# KiCad board delta48m.kicad_pcb (continued)
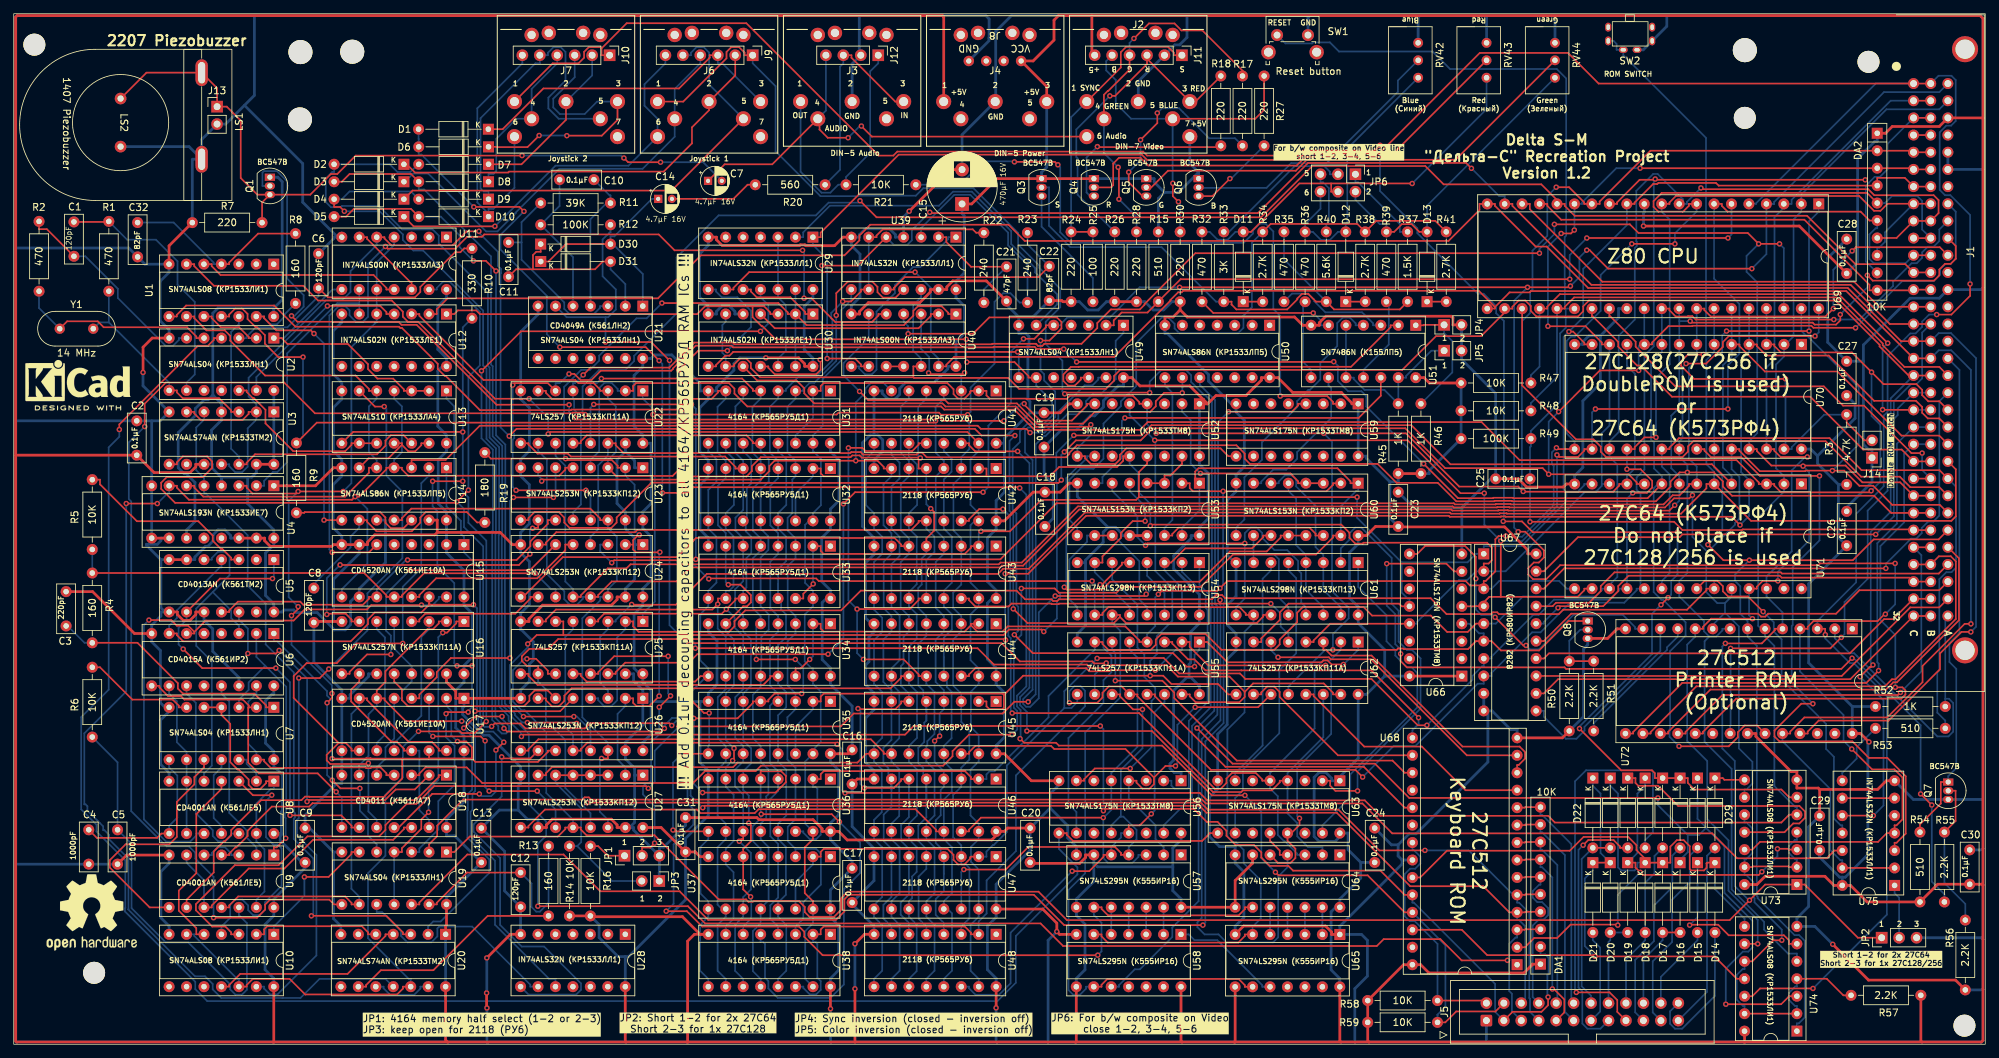
[diagram p0: board, top side]
## Routing (per net, layer and track width the routed paths; a pad name or vN(x,y) marks a point on that pad's centre or on a via; arc(x,y) is an arc through that point) (continued)
7MHZ: length 336.3
  Top w0.25: v1(145.74,88.6) 145.73,88.61 140.88,88.61 139.92,89.58 73.19,89.58 v1(72.13,88.52) ; U3.6 26.29,92.04 26.29,91.81 27.2,90.9 33.33,90.9 34.19,91.76 34.19,92.04 U3.2 ; 183.02,62.49 181.89,62.49 181.89,62.25 180.95,61.31 161.92,61.31 161.03,62.21 ; 161.03,62.21 161.03,62.49 U54.11 ; 161.03,62.21 160.14,61.31 147.57,61.31 v1(145.5,63.37) ; 52.84,117.48 53.96,117.48 53.96,117.3 54.96,116.3 63.91,116.3 65.93,118.33 v1(67.71,118.33) ; U65.9 179.21,8.36 179.21,8.59 178.3,9.51 159.2,9.51 158.35,8.65 158.35,8.37 U58.9
  Bottom w0.25: v1(67.71,118.33) 67.71,118.13 70.48,115.35 70.48,113.3 70.93,112.85 70.93,112.25 70.87,112.18 70.87,89.79 v1(72.13,88.52) ; v1(145.5,63.37) 145.5,77.09 144.96,77.63 144.96,87.82 v1(145.74,88.6) ; U3.11 31.37,84.42 31.37,84.14 32.24,83.27 33.25,83.27 34.05,84.06 34.05,89.64 35.32,90.91 U3.2 35.32,93.17 34.19,94.3 34.19,97.02 45.49,108.32 47.84,108.32 49.03,109.51 49.03,112.54 52.84,116.35 52.84,117.48 ; U54.11 159.9,61.36 161.09,60.17 161.09,50.49 155.97,45.37 155.97,24.89 153.55,22.47 153.55,7.88 154.22,7.21 155.21,7.21 156.09,8.09 156.09,8.37 U58.9
A0: length 303.5
  Top w0.25: v1(97.57,80.99) 98.29,81.71 152.08,81.71 v1(152.5,82.13) ; U23.3 87.69,82.73 95.92,82.73 v1(97.36,84.16) ; v1(268.12,104.28) 261.99,104.28 261.69,104.58 244.4,104.58 244.35,104.53 240.88,104.53 238.5,102.15 238.5,101.87 U70.10 ; 57.92,106.29 59.04,106.29 59.04,106.04 68.39,96.68 81.75,96.68 82.2,96.23 84.42,96.23 85.37,95.29 85.37,95.1 U22.3 ; v1(236.55,98.07) 230.89,98.07 v1(224.89,92.07) ; U71.10 236.25,81.55 236.25,81.79 235.07,82.97 v1(223.45,82.97) 222.56,83.86 208.37,83.86 202.57,89.66 165.81,89.66 164.05,87.9 154.61,87.9 v1(152.94,86.23)
  Bottom w0.25: U23.3 86.5,85.04 87.66,86.2 87.66,92.81 86.5,93.98 U22.3 ; v1(236.55,98.07) 236.55,101.61 237.38,102.44 ; v1(224.89,92.07) 223.45,90.63 v1(223.45,82.97) ; v1(152.5,82.13) 152.5,85.78 v1(152.94,86.23) ; J1.40 282.7,121.2 282.7,114.33 281.96,113.59 281.19,113.59 280.43,112.83 280.43,112.04 279.48,111.09 274.93,111.09 272,108.16 v1(268.12,104.28) ; v1(97.57,80.99) 97.57,83.95 v1(97.36,84.16) ; 237.38,102.44 U70.10 ; 237.38,102.44 237.38,103 237.36,103.02 U69.30
A1: length 349.5
  Top w0.25: U22.6 77.75,96.23 72.92,96.23 v1(72.63,95.95) ; v1(154.72,99.32) 192.12,99.32 v1(192.16,99.36) ; v1(80.83,97.57) 81.62,97.57 82.5,96.69 84.11,96.69 85.46,98.04 95.71,98.04 95.95,98.28 95.95,98.36 99.28,101.69 104.48,101.69 104.73,101.44 142.59,101.44 142.65,101.5 148.62,101.5 148.93,101.2 v1(152.84,101.2) ; U72.23 253.78,46.4 251.96,46.4 250.99,45.42 250.99,44.7 249.67,43.38 v1(242.42,43.38) ; U69.31 241.02,107.08 241.02,106.85 241.95,105.92 243.68,105.92 243.75,105.99 244.35,105.99 244.85,105.49 v1(264.95,105.49) ; U71.9 237.85,79.49 218.31,79.49 218.25,79.55 215.4,79.55 215.34,79.49 210.25,79.49 v1(205.24,84.5) ; v1(73.12,80.63) v1(83.29,80.63)
  Bottom w0.25: v1(205.24,84.5) 196.9,92.84 196.9,94.35 196.9,94.35 196.19,95.05 194.25,95.05 192.76,96.54 192.76,98.76 v1(192.16,99.36) ; U71.9 239.92,82.12 ; 239.92,82.12 238.73,80.92 238.73,65.83 239.86,64.7 240.09,64.7 243.38,61.42 243.38,59.47 241.12,57.22 241.12,45.91 241.04,45.83 241.04,44.75 v1(242.42,43.38) ; 239.92,82.12 239.92,82.68 238.79,83.81 238.79,87.59 238.35,88.03 238.35,99.17 239.92,100.75 U70.9 239.92,105.93 239.9,105.95 U69.31 ; U23.13 83.96,79.97 v1(83.29,80.63) ; v1(73.12,80.63) 72.63,81.12 72.63,87.99 72.86,88.22 72.86,88.82 72.63,89.05 v1(72.63,95.95) ; v1(264.95,105.49) 268.68,105.49 273.58,110.38 273.58,110.98 276.28,113.69 277.02,113.69 277.81,114.47 277.81,115.26 278.64,116.09 279.48,116.09 280.31,116.92 280.31,118.59 J1.41 ; v1(80.83,97.57) 79.49,96.23 78.88,96.23 U22.6 ; v1(154.72,99.32) v1(152.84,101.2)
A2: length 273.2
  Top w0.25: v1(265.9,106.22) 265.9,105.37 265.27,104.75 262.16,104.75 261.88,105.03 244.27,105.03 v1(244.05,105.26) ; v1(241.79,78.46) 241.01,77.68 217.56,77.68 217.5,77.74 216.15,77.74 216.09,77.68 209.43,77.68 209.26,77.84 155.11,77.84 146.93,69.66 143.84,69.66 143.58,69.41 98.53,69.41 96.49,67.37 87.06,67.37 85.08,65.39 85.08,65.11 U24.13 ; J1.42 282.71,116.19 282.71,114.34 281.96,113.59 281.14,113.59 280.31,112.76 280.31,111.92 279.54,111.15 270.61,111.15 v1(269.84,111.93)
  Bottom w0.25: U24.13 82.83,65.11 82.83,64.83 81.97,63.97 80.96,63.97 80.15,64.78 80.15,65.93 77.61,68.47 77.61,85.09 76.34,86.36 U22.10 ; v1(241.79,78.46) 242.46,79.13 U71.8 242.46,82.68 241.29,83.85 241.29,91.5 242.46,92.66 U70.8 242.46,105.26 ; 242.46,105.26 v1(244.05,105.26) ; 242.46,105.26 242.46,105.93 242.44,105.95 U69.32 ; v1(265.9,106.22) 269.84,110.16 v1(269.84,111.93)
A3: length 282
  Top w0.25: v1(87.05,70.09) 87.41,70.45 99.17,70.45 v1(99.3,70.59) 143.63,70.59 151.79,78.75 209.64,78.75 209.8,78.58 215.72,78.58 215.78,78.64 217.88,78.64 217.93,78.58 240.17,78.58 241.5,79.91 242.5,79.91 243.87,81.28 243.87,81.55 U71.7 ; v1(264.88,107.08) 263.74,105.94 247.04,105.94 246.1,106.87 246.1,107.08 U69.33 ; v1(267.62,115.48) 268.16,116.02 280.38,116.02 J1.43 ; v1(98.65,93.14) v1(84.43,93.14)
  Bottom w0.25: U22.13 83.96,92.66 v1(84.43,93.14) ; U24.3 85.37,72.73 85.37,71.77 v1(87.05,70.09) ; v1(264.88,107.08) 264.88,112.74 v1(267.62,115.48) ; U71.7 245,84.09 243.85,85.24 243.85,98.44 245,99.59 U70.7 245,105.93 244.98,105.95 U69.33 ; v1(99.3,70.59) 99.3,92.49 v1(98.65,93.14)
A4: length 254.8
  Top w0.25: v1(89.95,64.01) 89.99,63.98 96.4,63.98 100.88,68.46 143.27,68.46 144.02,69.21 147.76,69.21 155.94,77.39 209.08,77.39 209.24,77.23 216.28,77.23 216.34,77.29 217.31,77.29 217.37,77.23 242.71,77.23 246.41,80.93 246.41,81.55 U71.6 252.91,76.18 282.06,76.18 282.71,76.84 282.71,83.68 J1.55
  Bottom w0.25: v1(89.95,64.01) 89.91,64.01 87.62,61.73 87.62,61.54 U25.3 86.5,60.41 85.36,59.28 85.36,52.62 86.5,51.48 U26.3 ; U71.6 247.54,83.3 246.4,84.44 246.4,99.61 247.54,100.75 U70.6 247.54,105.93 247.52,105.95 U69.34
A5: length 300.2
  Top w0.25: 80,59.57 80,61.54 U25.6 ; 80,59.57 144.08,59.57 144.88,60.37 149.64,60.37 v1(149.94,60.07) ; 80,59.57 76.13,59.57 v1(74.83,58.27) ; v1(154.31,88.62) 164.13,88.62 165.62,90.11 203.44,90.11 209.13,84.43 247.2,84.43 U71.5 ; U70.5 251.2,101.87 251.2,101.64 254.92,97.93 265.47,97.93 274.81,88.59 280.31,88.59 J1.54 ; v1(74.2,47.7) v1(81.54,47.7)
  Bottom w0.25: U69.35 250.06,105.95 250.08,105.93 U70.5 250.08,100.11 248.81,98.83 248.81,83.95 250.08,82.68 U71.5 ; v1(74.83,58.27) 74.83,57.78 72.22,55.17 72.22,49.68 v1(74.2,47.7) ; v1(154.31,88.62) 151.77,86.08 151.77,81.82 151.86,81.74 151.86,66.02 152.33,65.55 152.33,64.95 151.86,64.47 151.86,61.98 v1(149.94,60.07) ; v1(81.54,47.7) 81.98,47.7 83.96,45.72 U26.13
A6: length 289.8
  Top w0.25: J1.53 280.3,91.1 278.63,91.1 277.81,91.92 277.81,92.76 276.91,93.65 270.82,93.65 264.23,100.25 255.13,100.25 253.74,101.64 253.74,101.87 U70.4 ; U25.10 76.34,55.05 74.73,55.05 73.96,55.81 73.96,56.47 75.03,57.54 77.81,57.54 79.25,58.98 144.24,58.98 v1(144.38,58.84) ; v1(144.33,68.48) 147.67,68.48 156.11,76.92 208.9,76.92 209.05,76.78 216.47,76.78 216.52,76.83 217.13,76.83 217.19,76.78 250.1,76.78 v1(251.3,75.58)
  Bottom w0.25: U27.13 83.96,33.63 80.29,37.3 80.29,44.3 77.46,47.12 77.46,51.67 76.34,52.79 U25.10 ; v1(251.3,75.58) 252.62,76.9 U71.4 252.62,82.12 251.46,83.28 251.46,99.58 252.62,100.75 U70.4 252.62,105.93 252.6,105.95 U69.36 ; v1(144.38,58.84) 144.33,58.89 v1(144.33,68.48)
A7: length 262
  Top w0.25: v1(270.38,80.56) 270.16,80.34 257.27,80.34 256.28,81.32 256.28,81.55 U71.3 254.03,81.55 254.03,81.78 250.79,85.02 219.22,85.02 213.67,90.56 165.08,90.56 163.94,89.43 148.61,89.43 145.65,92.38 135.46,92.38 135,92.84 106.79,92.84 104.92,94.71 104.92,95.44 104.12,96.24 90.59,96.24 90.16,95.81 90.16,95.1 U22.2 ; U70.3 256.28,101.87 256.28,101.65 257.24,100.7 267.58,100.7 v1(270.45,97.83) 272.19,96.09 276.98,96.09 277.81,95.26 277.81,94.49 278.7,93.59 280.31,93.59 J1.52
  Bottom w0.25: v1(270.38,80.56) 271.72,81.9 271.72,90.17 270.45,91.44 v1(270.45,97.83) ; U22.2 87.91,95.1 87.91,95.38 87,96.29 86.01,96.29 85.23,95.51 85.23,86.31 83.96,85.04 U23.4 ; U70.3 255.16,105.93 255.14,105.95 U69.37
A8: length 370.3
  Top w0.25: v1(224.27,119.35) 235.26,119.35 236.52,118.09 252.43,118.09 v1(254.01,116.5) v1(257.05,116.5) ; v1(256.82,67.44) 254.59,67.44 253.74,66.59 253.74,66.31 U71.25 ; J1.25 J1.25 274.6,81.79 269.11,81.79 266.66,84.24 260.48,84.24 ; U74.9 v1(253.87,14.61) ; U72.10 245.91,60.47 245.91,60.75 247.1,61.94 v1(253.11,61.94) ; v1(82.89,97.42) 83.96,98.49 95.44,98.49 99.09,102.14 104.67,102.14 104.91,101.89 142.4,101.89 142.47,101.96 148.81,101.96 149.11,101.65 149.72,101.65 150.02,101.96 155.44,101.96 157.73,104.25 157.73,104.98 159.71,106.96 163.93,106.96 164.61,107.64 164.61,107.74 172.02,115.15 v1(222.1,115.15) ; v1(260.48,84.15) 260.48,84.24 ; 260.48,84.24 255.86,84.24 253.74,86.35 253.74,86.63 U70.25
  Bottom w0.25: v1(254.01,116.5) 252.25,114.74 252.25,112.44 253.81,110.88 253.81,88.95 252.62,87.76 U70.25 ; v1(224.27,119.35) 224.27,117.93 222.1,115.76 v1(222.1,115.15) ; v1(260.48,84.15) 261.36,83.26 261.36,73.33 256.82,68.78 v1(256.82,67.44) ; U23.12 81.42,77.42 82.57,78.57 82.57,91.04 82.42,91.19 82.42,91.51 81.57,92.36 81.57,93.83 81.42,93.98 U22.5 81.42,96.23 81.7,96.23 v1(82.89,97.42) ; U69.38 257.68,115.88 v1(257.05,116.5) ; v1(253.87,14.61) 253.87,18.11 249.63,22.35 249.63,29.68 246.52,32.78 246.52,41.23 243.6,44.15 243.6,58.16 244.78,59.35 U72.10 ; v1(253.11,61.94) 252.62,62.43 U71.25
A9: length 329.1
  Top w0.25: J1.58 280.39,78.51 273.46,78.51 270.69,81.29 268.67,81.29 266.47,83.5 v1(264.75,83.5) 260.85,83.5 260.78,83.43 254.18,83.43 251.2,86.4 251.2,86.63 U70.24 ; v1(244.37,79.92) 243.91,79.46 241.69,79.46 240.36,78.13 217.75,78.13 217.69,78.19 215.96,78.19 215.9,78.13 209.61,78.13 209.45,78.29 154.92,78.29 146.74,70.11 143.65,70.11 143.4,69.86 89.78,69.86 89.2,69.28 86.48,69.28 82.54,65.34 82.54,65.11 U24.12
  Bottom w0.25: U70.24 250.08,83.71 251.21,82.58 251.21,76.52 250.57,75.88 250.57,75.63 246.58,71.65 ; 246.58,71.65 244.37,73.86 v1(244.37,79.92) ; 246.58,71.65 246.39,71.45 246.39,65.82 247.98,64.22 249.12,64.22 ; 249.12,64.22 250.08,65.19 U71.24 ; 249.12,64.22 249.12,62.83 ; v1(264.75,83.5) 268.58,87.33 268.58,95.61 261.1,103.09 260.98,103.09 260.22,103.84 U69.39 ; 249.12,62.83 251.13,60.81 251.13,43.08 253.1,41.11 253.1,37.93 252.24,37.08 251.96,37.08 U73.9 ; 249.12,62.83 247.32,61.04 U72.9 ; U24.12 81.42,66.24 80.29,67.36 80.29,84.22 78.88,85.63 U22.11
A10: length 345
  Top w0.25: v1(243.45,99.07) 246.37,99.07 248.81,101.51 248.81,102.22 249.67,103.08 v1(262.21,103.08) ; U22.14 87.62,87.48 87.62,87.2 88.77,86.06 121.78,86.06 121.92,86.2 123.29,86.2 123.65,85.84 131.42,85.84 131.69,86.11 132.23,86.11 132.89,85.44 153.19,85.44 153.67,85.93 153.67,86.09 154.77,87.19 177.97,87.19 179.21,85.96 179.21,85.22 179.96,84.47 198.56,84.47 201.31,81.72 207.31,81.72 209.99,79.04 215.53,79.04 215.59,79.09 218.06,79.09 218.12,79.04 239.05,79.04 241.19,81.17 241.19,81.92 242.51,83.24 v1(243.64,83.24) 247.49,83.24 248.81,81.93 248.81,81.17 250.15,79.84 270.81,79.84 273.31,77.34 J1.26 J1.26
  Bottom w0.25: U24.4 83.96,73.86 85.08,74.98 85.08,84.27 86.5,85.68 U22.14 ; U69.40 262.76,103.62 v1(262.21,103.08) ; 246.82,59.34 247.84,59.34 248.73,60.24 248.73,60.47 U72.8 ; 246.82,59.34 246.14,58.67 246.14,44.01 250.08,40.08 250.08,22.54 254.8,17.81 254.8,16.69 258.29,13.2 259.58,13.2 U74.5 ; 246.82,59.34 246.05,60.11 246.05,61.59 242.46,65.19 U71.21 242.46,67.44 243.64,68.62 v1(243.64,83.24) 243.64,84.33 242.46,85.51 U70.21 242.46,87.76 242.92,88.23 242.92,98.55 v1(243.45,99.07)
A11: length 364.1
  Top w0.25: J1.59 280.21,73.49 270.75,73.49 267.73,70.46 v1(252.66,70.46) 248.88,70.46 v1(246.62,72.72) ; U25.2 90.16,61.54 90.16,60.84 90.96,60.04 104.14,60.04 104.92,60.82 104.92,61.58 106.49,63.15 120.43,63.15 123.3,66.03 145.98,66.03 147.23,64.78 151.05,64.78 151.3,64.52 151.91,64.52 152.16,64.78 174.42,64.78 175.03,65.38 175.9,65.38 176.36,64.93 206.27,64.93 208.57,62.62 215.08,62.62 215.34,62.88 215.94,62.88 216.2,62.62 224.92,62.62 225.55,63.25 243.58,63.25 246.41,66.08 246.41,66.31 U71.23 ; v1(261.35,103.81) 261.34,103.81 v1(249.33,103.81)
  Bottom w0.25: 250.57,67.44 247.54,67.44 U71.23 ; 250.57,67.44 251.35,66.66 251.35,62.65 252.4,61.6 U72.7 252.4,59.35 253.75,58 253.75,21.57 253.86,21.45 253.86,21.26 259.24,15.88 259.9,15.88 260.73,15.06 260.73,3.91 259.86,3.04 259.58,3.04 U74.1 ; 250.57,67.44 250.57,68.37 v1(252.66,70.46) ; U25.2 89.04,60.41 87.84,59.22 87.84,50.06 86.96,49.18 85.98,49.18 85.08,50.07 85.08,50.35 U26.4 ; U69.1 262.76,121.19 261.35,119.78 v1(261.35,103.81) ; v1(249.33,103.81) 248.7,103.18 248.7,99.69 247.54,98.52 U70.23 247.54,83.94 248.72,82.76 248.72,74.83 v1(246.62,72.72)
A12: length 331.4
  Top w0.25: U73.5 258.45,33.41 257.32,32.28 224.35,32.28 223.38,33.25 198.92,33.25 196.67,35.5 173.73,35.5 172.65,36.58 v1(121.01,36.58) ; v1(119.87,43.66) 119.63,43.89 83.49,43.89 82.54,42.95 82.54,42.73 U26.12
  Bottom w0.25: U73.5 259.58,34.54 259.34,34.54 256.3,37.58 256.3,57.99 254.94,59.35 254.94,59.91 ; v1(119.87,43.66) 120.62,42.91 120.62,36.98 v1(121.01,36.58) ; U26.12 81.42,45.04 80.29,46.17 80.29,59.28 81.42,60.41 U25.5 ; 257.7,101.64 257.7,100.11 256.54,98.95 256.54,83.84 257.7,82.68 U71.2 257.7,80.43 253.94,76.67 253.94,60.91 254.94,59.91 ; 257.7,101.64 U70.2 ; 257.7,101.64 259.09,103.04 259.09,120.07 260.22,121.19 U69.2 260.22,123.68 272.62,136.09 280.31,136.09 J1.34 ; U72.6 254.94,59.91
A13: length 409.7
  Top w0.25: J1.2 J1.2 ; U72.5 256.35,60.47 256.35,60.24 254.47,58.35 v1(249.17,58.35) ; U70.26 256.28,86.63 256.28,86.4 257.19,85.49 v1(261.1,85.49) ; U19.1 64.12,27.98 66.38,30.24 79.21,30.24 80.29,31.31 80.29,31.55 U27.12 82.54,31.55 82.54,31.26 83.39,30.42 93.28,30.42 102.62,21.09 106.62,21.09 106.97,20.74 107.57,20.74 107.65,20.82 114.31,20.82 115.16,19.98 115.16,19.23 115.84,18.55 119.42,18.55 120.47,19.6 120.47,21.28 121.39,22.21 149.18,22.21 153.31,18.07 249.79,18.07 v1(252.68,20.96) 254.97,23.25 U73.1 260.7,23.25 268.45,15.51 JP2.1 ; U25.11 77.75,53.92 77.75,54.39 76.03,56.1 v1(74.7,56.1)
  Bottom w0.25: v1(252.68,20.96) 252.58,20.96 250.54,23.01 250.54,41.24 248.72,43.06 248.72,57.91 v1(249.17,58.35) ; U70.26 255.16,98.52 256.32,99.68 256.32,120.39 258.24,122.32 ; U69.3 258.24,122.32 ; 258.24,122.32 258.8,122.32 258.8,122.92 273.23,137.34 J1.2 ; U72.5 257.48,62.86 255.16,65.19 U71.26 255.16,68.08 258.82,71.74 258.82,83.53 260.78,85.49 v1(261.1,85.49) ; U27.12 81.42,32.67 77.52,36.57 77.52,45.47 74.36,48.63 73.91,48.63 72.67,49.87 72.67,54.45 74.32,56.1 v1(74.7,56.1)
A14: length 444.4
  Top w0.25: v1(272.46,62.61) 272.34,62.61 271.33,61.6 261.99,61.6 261.15,60.75 261.15,60.47 U72.4 ; v1(228.98,115.59) 229.4,115.59 232.1,112.89 v1(253.02,112.89) ; v1(118.54,56.78) 99.51,56.78 98.27,55.54 89.01,55.54 87.62,54.15 87.62,53.92 U25.14 ; v1(169.72,110.18) v1(220.36,110.18) 226.44,110.18 v1(226.61,110.36) ; U73.12 253.08,28.33 254.21,29.46 271.39,29.46 272.68,30.74 U75.4 273.8,31.87 274.08,31.87 274.95,32.73 274.95,38.84 273.77,40.01 270.52,40.01 v1(267.56,42.98) ; v1(273.88,69.99) 262.95,69.99 262.68,69.73 225.12,69.73 223.1,67.71 221.15,67.71 220.48,68.38 220.48,69.32 221.28,70.12 222.01,70.12 222.74,70.85 222.74,71.9 220.04,74.6 v1(219.01,74.6) ; v1(146.99,102.68) 148.57,102.68 150.26,104.37 150.26,104.65 U49.5 ; v1(120.77,78.66) 122.47,80.36 v1(141.11,80.36)
  Bottom w0.25: v1(120.77,78.66) 120.77,59.01 v1(118.54,56.78) ; v1(253.02,112.89) 255.14,115.01 U69.4 256.26,122.32 256.26,122.6 272.25,138.59 280.31,138.59 J1.33 ; v1(169.72,110.18) 163.89,110.18 161.86,108.15 161.86,108.08 159.56,105.78 153.36,105.78 152.51,104.93 152.51,104.65 U49.5 ; v1(228.98,115.59) 227.92,114.53 227.92,111.66 v1(226.61,110.36) ; v1(141.11,80.36) 141.89,81.13 141.89,90.05 145.18,93.34 145.18,100.87 v1(146.99,102.68) ; U72.4 260.02,54.26 266.37,47.91 266.37,44.16 v1(267.56,42.98) ; v1(273.88,69.99) 273.88,64.03 v1(272.46,62.61) ; v1(220.36,110.18) 218.41,108.23 218.41,75.2 v1(219.01,74.6)
A15: length 406.2
  Top w0.25: v1(261.92,8.12) 254.21,8.12 253.08,6.99 251.96,6.99 ; U29.1 117.46,117.48 117.46,118.14 128.81,129.48 164.22,129.48 164.98,128.72 186.94,128.72 187.86,129.64 198.76,129.64 213.42,144.3 226.26,144.3 230.71,139.84 J1.1 J1.1 ; v1(284.79,110.67) 284.79,108.94 282.06,106.21 v1(279.93,106.21) ; v1(263.72,59.62) 263.69,59.65 263.69,60.47 U72.3 ; U40.9 123.34,98.67 123.34,98.95 122.48,99.81 v1(118.41,99.81)
  Bottom w0.25: v1(279.93,106.21) 278.83,106.21 277.81,105.19 277.81,104.42 276.86,103.47 276.08,103.47 272.78,100.17 272.78,92.07 272.22,91.51 272.22,81.22 268.2,77.2 268.2,67.24 262.56,61.6 U72.3 ; 272.68,33.28 272.68,50.66 267.87,55.47 267.31,55.47 263.72,59.06 v1(263.72,59.62) ; 272.68,33.28 U75.5 ; 272.68,33.28 272.68,18.87 v1(261.92,8.12) ; v1(284.79,110.67) 284.79,120.71 281.91,123.59 281.14,123.59 280.37,124.36 280.37,132.75 281.33,133.71 282.03,133.71 282.69,134.38 282.69,140.36 282.08,140.97 280.19,140.97 J1.1 ; U29.1 116.34,116.35 118.41,114.28 v1(118.41,99.81) ; J1.1 271.06,139.84 253.63,122.41 253.63,122.32 U69.5
A19_SNP: length 82.3
  Top w0.25: v1(272.53,69.27) 225.7,69.27 222.74,66.31 221.61,66.31
  Bottom w0.25: v1(272.53,69.27) 272.53,69.92 276.2,73.59 276.95,73.59 277.75,74.39 277.75,75.13 278.7,76.09 279.44,76.09 280.31,76.95 280.31,93.59 J1.51
A28_SNP: length 61.7
  Top w0.25: U72.17 240.83,45.23 240.83,45.47 246.99,51.63 272.55,51.63 273.61,52.68 274.13,52.68 283.17,61.71 283.17,70.73 J1.60
A29_SNP: length 63
  Top w0.25: J1.61 280.24,68.52 257.41,68.52 257.24,68.69 233.02,68.69 231.03,66.7 231.03,65.96 229.32,64.25 224.5,64.25 224.01,63.77 U67.17
A30_SNP: length 63.9
  Top w0.25: U67.15 222.74,58.69 226.72,62.67 253.94,62.67 254.37,62.24 254.97,62.24 255.4,62.67 255.4,62.67 265.26,62.67 268.68,66.09 280.31,66.09 J1.62
A31_SNP: length 64.6
  Top w0.25: J1.63 280.31,63.59 276.08,63.59 266.1,53.61 U67.13
ADR0: length 151.6
  Top w0.25: 131.73,85.34 v1(131.97,85.34) ; 131.73,85.34 131.67,85.39 123.46,85.39 123.14,85.71 122.07,85.71 121.82,85.46 108.76,85.46 107.46,84.15 107.46,83.42 106.68,82.65 97.8,82.65 97.35,82.19 77.08,82.19 v1(76.86,81.97) ; 131.73,85.34 131.73,83.8 U42.5 ; v1(133.49,77.97) 133.98,77.47 133.98,74.76 132.85,73.63 U43.5
  Bottom w0.25: U23.7 76.34,82.79 76.86,82.27 v1(76.86,81.97) ; U42.5 132.85,78.61 v1(133.49,77.97) ; U48.5 132.85,17.15 131.72,18.28 131.72,24.41 132.85,25.54 U47.5 132.85,28.43 131.67,29.61 131.67,31.84 132.85,33.02 132.85,35.81 ; 132.85,47.11 132.85,49.12 132.4,49.57 132.4,51.5 131.67,52.23 131.67,58.26 132.85,59.44 U44.5 132.85,62.33 131.67,63.51 131.67,66.41 132.18,66.92 132.18,70.7 132.85,71.38 U43.5 ; 132.85,47.11 132.54,46.8 132.54,44.01 131.67,43.14 131.67,40.93 132.4,40.2 132.4,38.74 132.85,38.29 132.85,35.81 ; 132.85,47.11 U45.5 ; U46.5 132.85,35.81 ; v1(131.97,85.34) 131.66,85.66 131.66,92.78 132.85,93.98 U41.5
ADR1: length 152.3
  Top w0.25: U42.7 126.65,83.8 126.65,84.04 125.75,84.94 v1(122.58,84.94) 110.75,84.94 110,84.18 110,83.43 108.77,82.19 97.99,82.19 97.53,81.74 92.83,81.74 87.77,76.68 87.77,75.95 86.99,75.17 80.92,75.17 80.15,75.94 80.15,76.67 79.35,77.46 75.81,77.46 74.92,76.58 74.92,76.3 U23.9
  Bottom w0.25: U41.7 126.6,96.28 124.8,96.28 123.99,95.46 123.99,94.85 122.58,93.44 v1(122.58,84.94) ; 127.77,37.08 127.77,34.56 126.64,33.42 126.64,29.58 127.77,28.45 U47.7 127.77,21.45 126.6,20.27 126.6,18.31 127.77,17.13 U48.7 ; 127.77,37.08 U46.7 ; 127.77,37.08 127.77,38.29 127.32,38.74 127.32,40.2 126.59,40.93 126.59,43.13 127.77,44.31 U45.7 127.77,51.56 126.59,52.74 126.59,58.9 127.77,60.08 U44.7 127.77,62.33 126.64,63.46 126.64,70.25 127.77,71.38 U43.7 127.77,74.4 126.62,75.56 126.62,81.52 127.77,82.68 U42.7
ADR2: length 161.5
  Top w0.25: U43.6 129.19,72.5 129.19,72.74 128.24,73.69 99.32,73.69 96.54,70.91 79.93,70.91 74.13,65.11 U24.9 ; U45.6 129.19,49.9 129.19,49.62 128.34,48.78 122.99,48.78 v1(122.9,48.87) ; U46.6 129.19,38.6 129.19,38.37 128.12,37.31 v1(123.83,37.31)
  Bottom w0.25: U48.6 130.31,17.66 129.11,18.86 129.11,20.61 130.31,21.81 U47.6 130.31,28.45 129.18,29.58 129.18,31.94 130.31,33.07 U46.6 ; v1(123.83,37.31) 123.25,37.89 123.25,48.52 v1(122.9,48.87) ; U41.6 130.31,93.98 129.12,92.79 129.12,86.12 130.31,84.93 U42.6 130.31,82.68 129.13,81.5 129.13,74.81 130.31,73.63 U43.6 130.31,71.38 129.11,70.18 129.11,63.53 130.31,62.33 U44.6 130.31,60.08 129.53,59.29 129.53,55.42 129.13,55.03 129.13,52.21 130.31,51.03 U45.6
ADR3: length 184.7
  Top w0.25: v1(122.77,63.35) 130.42,63.35 131.73,64.65 131.73,64.88 U43.12 ; U41.12 131.73,87.48 131.73,87.28 130.8,86.35 124,86.35 123.54,86.81 v1(121.5,86.81) ; U44.12 131.73,53.58 131.73,53.84 129.54,56.02 v1(123.69,56.02) ; U42.12 131.73,76.18 131.73,75.95 130.64,74.87 90.77,74.87 90.43,74.53 78.99,74.53 77.46,73.01 77.46,72.73 U24.7
  Bottom w0.25: U42.12 132.85,75.06 134.03,73.88 134.03,71.65 132.85,70.47 U43.12 ; v1(121.5,86.81) 121.5,64.61 v1(122.77,63.35) 122.77,56.94 v1(123.69,56.02) ; U48.12 132.85,9.51 134.04,10.7 134.04,17.37 132.85,18.56 U47.12 132.85,20.81 134.04,22 134.04,28.67 132.85,29.86 U46.12 132.85,32.11 134.05,33.31 134.05,39.96 132.85,41.16 U45.12 132.85,43.41 133,43.55 133,44.12 134.03,45.15 134.03,51.28 132.85,52.46 U44.12
ADR4: length 142.8
  Top w0.25: U26.7 77.46,50.35 77.46,50.07 78.35,49.19 79.36,49.19 80.15,49.97 80.15,50.73 81.23,51.81 127.65,51.81 129.19,53.35 129.19,53.58 U44.11
  Bottom w0.25: U48.11 130.31,9.51 131.44,10.64 131.44,17.43 130.31,18.56 U47.11 130.31,20.81 130.78,21.28 130.78,24.42 131.44,25.08 131.44,28.71 130.31,29.84 U46.11 130.31,32.11 131.49,33.29 131.49,39.98 130.31,41.16 U45.11 130.31,43.41 131.49,44.59 131.49,51.28 130.31,52.46 U44.11 130.31,57.86 131.45,58.99 131.45,62.62 130.31,63.76 U43.11 130.31,65.82 131.45,66.96 131.45,73.92 130.31,75.06 U42.11 130.31,77.31 131.5,78.5 131.5,84.38 130.31,85.57 U41.11
ADR5: length 141.7
  Top w0.25: U45.10 126.65,42.28 126.65,42.52 124.77,44.39 76.38,44.39 74.92,42.94 74.92,42.73 U26.9
  Bottom w0.25: U48.10 127.77,9.51 128.96,10.7 128.96,17.37 127.77,18.56 U47.10 127.77,20.81 128.96,22 128.96,28.67 127.77,29.86 U46.10 127.77,32.11 128.9,33.24 128.9,40.03 127.77,41.16 U45.10 127.77,43.41 128.91,44.55 128.91,51.3 127.77,52.44 U44.10 127.77,54.71 128.96,55.9 128.96,62.39 127.77,63.59 U43.10 127.77,69.88 128.95,71.06 128.95,73.86 127.77,75.04 U42.10 127.77,81.18 128.95,82.36 128.95,84.65 127.77,85.83 U41.10
ADR6: length 153.9
  Top w0.25: U27.9 74.92,31.55 74.92,31.75 77.33,34.16 99.47,34.16 99.98,33.65 107.87,33.65 108.43,34.22 131.27,34.22 134.27,31.22 134.27,30.98 U46.13
  Bottom w0.25: 135.39,56.38 135.39,53.9 135.84,53.45 135.84,51.99 136.52,51.31 136.52,44.54 135.39,43.41 U45.13 135.39,41.16 136.55,40 136.55,36.77 135.39,35.61 135.39,32.11 135.39,32.11 U46.13 135.39,29.86 136.58,28.67 136.58,22 135.39,20.81 135.39,20.25 ; 135.39,56.38 U44.13 ; 135.39,56.38 135.39,59.18 136.57,60.36 136.57,62.56 135.39,63.74 U43.13 135.39,66.01 136.55,67.17 136.55,73.9 135.39,75.06 U42.13 135.39,82.21 136.52,83.34 136.52,85.23 135.39,86.36 U41.13 ; 135.39,20.25 136.58,19.06 136.58,10.7 135.39,9.51 U48.13 ; 135.39,20.25 U47.13
ADR7: length 136.3
  Top w0.25: U45.9 124.11,42.28 122.82,41 105.38,41 104.72,40.33 78.35,40.33 77.46,39.45 77.46,39.17 U27.7
  Bottom w0.25: U41.9 125.23,86.36 124.08,85.21 124.08,78.46 125.23,77.31 U42.9 125.23,75.06 126.42,73.87 126.42,71.38 125.23,70.19 U43.9 125.23,63.26 126.42,62.08 126.42,59.99 125.23,58.81 U44.9 125.23,52.46 126.42,51.27 126.42,44.6 125.23,43.41 U45.9 125.23,41.16 126.36,40.03 126.36,33.79 125.23,32.66 U46.9 125.23,29.86 126.42,28.67 126.42,21.44 125.23,20.25 U47.9 125.23,18.54 126.42,17.35 126.42,10.7 125.23,9.51 U48.9
AUDIO: length 71.9
  Top w0.25: C7.1 103.49,128.09 110.42,128.09 J3.4 117.3,134.46 117.3,133.14 118.49,131.95 v1(121.46,131.95) ; 156.2,132.11 124.93,132.11 v1(123.4,133.65)
  Bottom w0.25: J12.4 118.23,135.89 J3.4 ; v1(123.4,133.65) 123.17,133.65 v1(121.46,131.95)
B19_SNP: length 77.1
  Top w0.25: U67.19 222.74,68.85 227.7,73.81 242.5,73.81 242.91,74.21 v1(271.06,74.21)
  Bottom w0.25: v1(271.06,74.21) 273.69,76.84 273.69,91.01 274.25,91.58 274.25,92.53 J1.19 J1.19
B21_SNP: length 81
  Top w0.25: U72.15 235.75,45.23 235.75,45.47 242.88,52.6 269.68,52.6 v1(271.47,54.39)
  Bottom w0.25: v1(271.47,54.39) 271.47,55.41 271.28,55.61 271.28,72.92 274.14,75.78 274.14,87.42 J1.21 J1.21
B22_SNP: length 76.1
  Top w0.25: U72.19 245.91,45.23 245.91,45.47 250.74,50.3 274.77,50.3 275.38,50.91 275.38,51.51 274.94,51.95 v1(273.91,51.95)
  Bottom w0.25: v1(273.91,51.95) 273.91,59.57 271.73,61.74 271.73,72.51 275.18,75.96 275.18,85.97 J1.22 J1.22
B28_SNP: length 60.4
  Top w0.25: J1.28 J1.28 ; v1(274.65,51.21) 274.27,50.84 248.74,50.84 243.37,45.47 243.37,45.23 U72.18
  Bottom w0.25: J1.28 277.69,71.21 277.69,54.25 v1(274.65,51.21)
B29_SNP: length 67.9
  Top w0.25: J1.29 J1.29 280.25,71.03 281.98,71.03 282.71,70.29 282.71,61.9 273.94,53.13 273.42,53.13 272.39,52.1 244.95,52.1 238.29,45.44 238.29,45.23 U72.16
B30_SNP: length 61.3